# Altium PCB Shuttler_AMC.PcbDoc (part 4 of 12)
Units mm, origin at the board's own origin, x right, y up, seen from the top; angles counter-clockwise.
Board outline 180.71 x 148.55 mm, 12 copper layers (Layer 1, Layer 2, Layer 3, Layer 4, Layer 5, Layer 6, Layer 7, Layer 8, Layer 9, Layer 10, Layer 11, Layer 12), stack 2.14 mm thick; 1184 components, 1698 nets, 9088 pads, 920 vias.
Unrouted connection lines stored in the file: 1441.
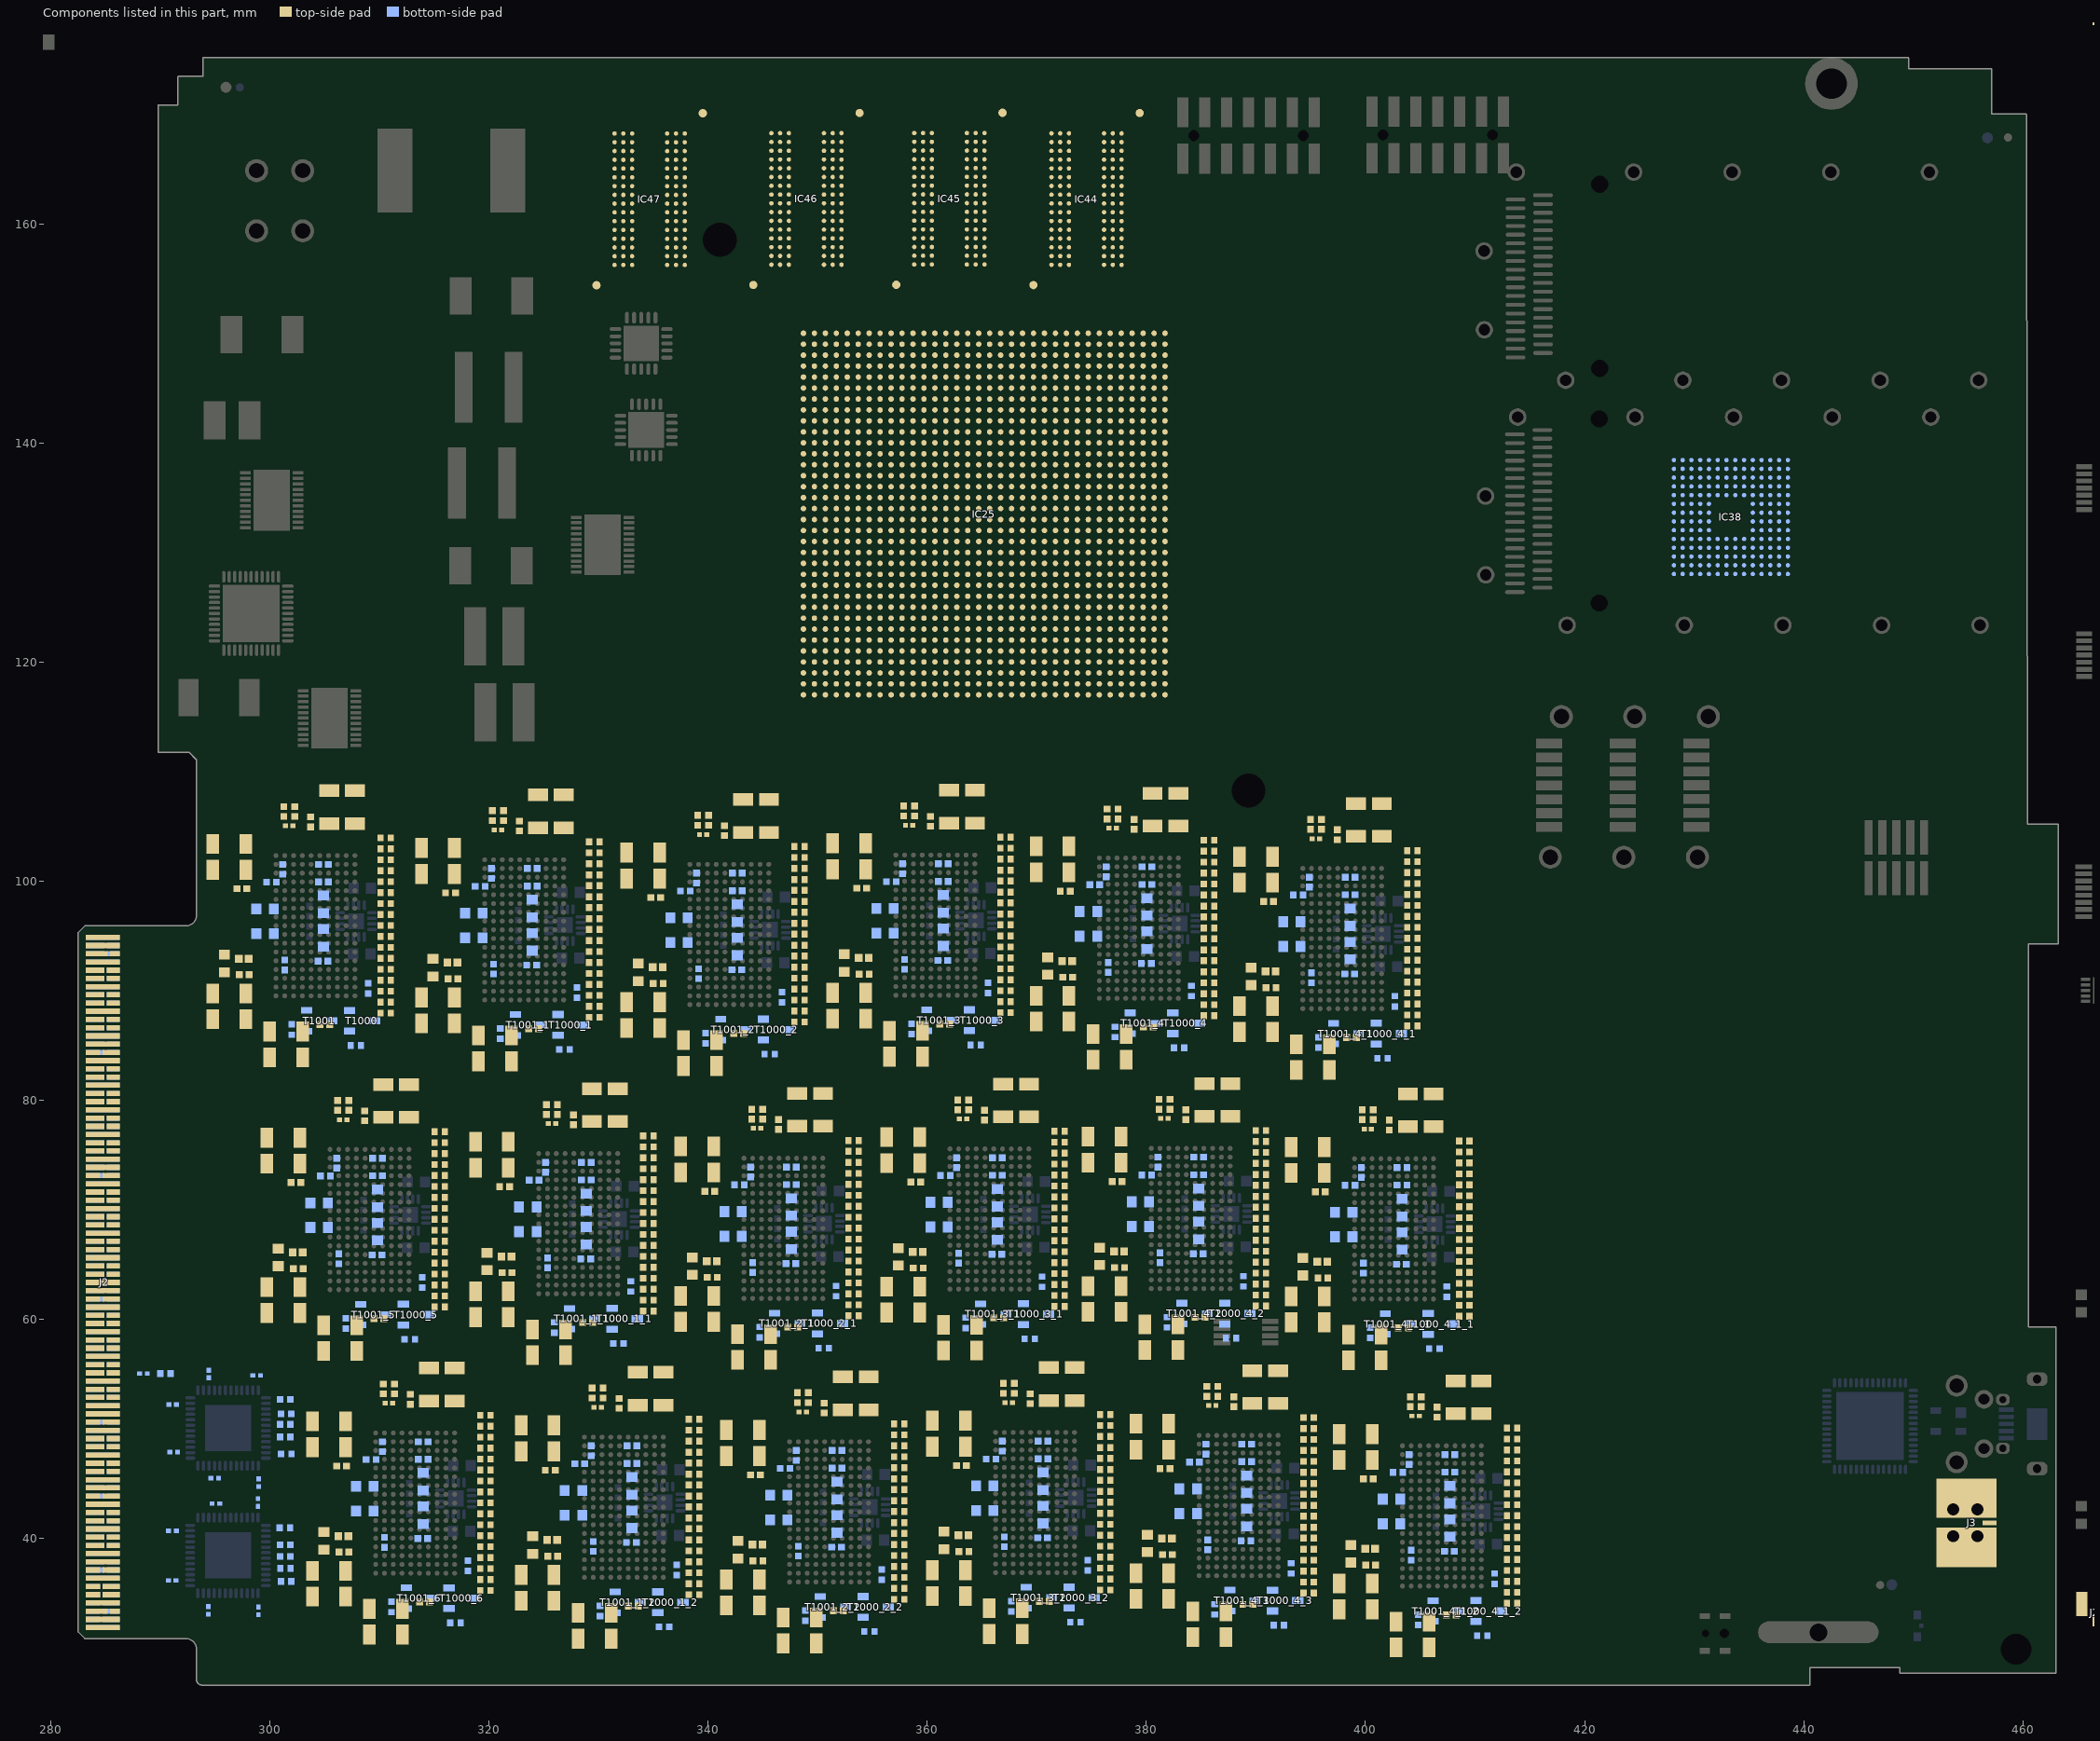
[diagram p10: the components of this part, seen from the top]

## Components (designator, comment, footprint, x,y, rotation, side; value= is the part's Value field where it differs from the comment) (continued)
R1018_4 "80R6" RESC1005X40N#2 385.725,92.747 r180 top (schematic designator R1018)
R1018_4_1 "80R6" RESC1005X40N#2 404.281,91.8 r180 top (schematic designator R1018)
R1018_4_1_1 "80R6" RESC1005X40N#2 409.012,65.3 r180 top locked (schematic designator R1018)
R1018_4_1_2 "80R6" RESC1005X40N#2 413.381,39.1 r180 top (schematic designator R1018)
R1018_4_2 "80R6" RESC1005X40N#2 390.456,66.247 r180 top (schematic designator R1018)
R1018_4_3 "80R6" RESC1005X40N#2 394.825,40.047 r180 top (schematic designator R1018)
R1018_5 "80R6" RESC1005X40N#2 315.506,66.15 r180 top (schematic designator R1018)
R1018_6 "80R6" RESC1005X40N#2 319.675,40.272 r180 top (schematic designator R1018)
R1019 "80R6" RESC1005X40N#2 310.575,91.972 r180 top
R1019_1 "80R6" RESC1005X40N#2 329.625,91.597 r180 top (schematic designator R1019)
R1019_1_1 "80R6" RESC1005X40N#2 334.556,64.775 r180 top (schematic designator R1019)
R1019_1_2 "80R6" RESC1005X40N#2 338.725,38.897 r180 top (schematic designator R1019)
R1019_2 "80R6" RESC1005X40N#2 348.35,91.172 r180 top (schematic designator R1019)
R1019_2_1 "80R6" RESC1005X40N#2 353.281,64.35 r180 top (schematic designator R1019)
R1019_2_2 "80R6" RESC1005X40N#2 357.45,38.472 r180 top (schematic designator R1019)
R1019_3 "80R6" RESC1005X40N#2 367.15,92.022 r180 top (schematic designator R1019)
R1019_3_1 "80R6" RESC1005X40N#2 372.081,65.2 r180 top (schematic designator R1019)
R1019_3_2 "80R6" RESC1005X40N#2 376.25,39.322 r180 top (schematic designator R1019)
R1019_4 "80R6" RESC1005X40N#2 385.725,91.747 r180 top (schematic designator R1019)
R1019_4_1 "80R6" RESC1005X40N#2 404.281,90.8 r180 top (schematic designator R1019)
R1019_4_1_1 "80R6" RESC1005X40N#2 409.012,64.3 r180 top (schematic designator R1019)
R1019_4_1_2 "80R6" RESC1005X40N#2 413.381,38.1 r180 top (schematic designator R1019)
R1019_4_2 "80R6" RESC1005X40N#2 390.456,65.247 r180 top (schematic designator R1019)
R1019_4_3 "80R6" RESC1005X40N#2 394.825,39.047 r180 top (schematic designator R1019)
R1019_5 "80R6" RESC1005X40N#2 315.506,65.15 r180 top (schematic designator R1019)
R1019_6 "80R6" RESC1005X40N#2 319.675,39.272 r180 top (schematic designator R1019)
R1020 "80R6" RESC1005X40N#2 310.575,90.972 r180 top
R1020_1 "80R6" RESC1005X40N#2 329.625,90.597 r180 top (schematic designator R1020)
R1020_1_1 "80R6" RESC1005X40N#2 334.556,63.775 r180 top (schematic designator R1020)
R1020_1_2 "80R6" RESC1005X40N#2 338.725,37.897 r180 top (schematic designator R1020)
R1020_2 "80R6" RESC1005X40N#2 348.35,90.172 r180 top (schematic designator R1020)
R1020_2_1 "80R6" RESC1005X40N#2 353.281,63.35 r180 top (schematic designator R1020)
R1020_2_2 "80R6" RESC1005X40N#2 357.45,37.472 r180 top (schematic designator R1020)
R1020_3 "80R6" RESC1005X40N#2 367.15,91.022 r180 top (schematic designator R1020)
R1020_3_1 "80R6" RESC1005X40N#2 372.081,64.2 r180 top (schematic designator R1020)
R1020_3_2 "80R6" RESC1005X40N#2 376.25,38.322 r180 top (schematic designator R1020)
R1020_4 "80R6" RESC1005X40N#2 385.725,90.747 r180 top (schematic designator R1020)
R1020_4_1 "80R6" RESC1005X40N#2 404.281,89.8 r180 top (schematic designator R1020)
R1020_4_1_1 "80R6" RESC1005X40N#2 409.012,63.3 r180 top (schematic designator R1020)
R1020_4_1_2 "80R6" RESC1005X40N#2 413.381,37.1 r180 top (schematic designator R1020)
R1020_4_2 "80R6" RESC1005X40N#2 390.456,64.247 r180 top (schematic designator R1020)
R1020_4_3 "80R6" RESC1005X40N#2 394.825,38.047 r180 top (schematic designator R1020)
R1020_5 "80R6" RESC1005X40N#2 315.506,64.15 r180 top (schematic designator R1020)
R1020_6 "80R6" RESC1005X40N#2 319.675,38.272 r180 top (schematic designator R1020)
R1021 "80R6" RESC1005X40N#2 310.575,89.973 r180 top
R1021_1 "80R6" RESC1005X40N#2 329.625,89.598 r180 top (schematic designator R1021)
R1021_1_1 "80R6" RESC1005X40N#2 334.556,62.776 r180 top (schematic designator R1021)
R1021_1_2 "80R6" RESC1005X40N#2 338.725,36.898 r180 top (schematic designator R1021)
R1021_2 "80R6" RESC1005X40N#2 348.35,89.173 r180 top (schematic designator R1021)
R1021_2_1 "80R6" RESC1005X40N#2 353.281,62.351 r180 top (schematic designator R1021)
R1021_2_2 "80R6" RESC1005X40N#2 357.45,36.473 r180 top (schematic designator R1021)
R1021_3 "80R6" RESC1005X40N#2 367.15,90.023 r180 top (schematic designator R1021)
R1021_3_1 "80R6" RESC1005X40N#2 372.081,63.201 r180 top (schematic designator R1021)
R1021_3_2 "80R6" RESC1005X40N#2 376.25,37.323 r180 top (schematic designator R1021)
R1021_4 "80R6" RESC1005X40N#2 385.725,89.748 r180 top (schematic designator R1021)
R1021_4_1 "80R6" RESC1005X40N#2 404.281,88.801 r180 top (schematic designator R1021)
R1021_4_1_1 "80R6" RESC1005X40N#2 409.012,62.301 r180 top (schematic designator R1021)
R1021_4_1_2 "80R6" RESC1005X40N#2 413.381,36.101 r180 top (schematic designator R1021)
R1021_4_2 "80R6" RESC1005X40N#2 390.456,63.248 r180 top (schematic designator R1021)
R1021_4_3 "80R6" RESC1005X40N#2 394.825,37.048 r180 top (schematic designator R1021)
R1021_5 "80R6" RESC1005X40N#2 315.506,63.151 r180 top (schematic designator R1021)
R1021_6 "80R6" RESC1005X40N#2 319.675,37.273 r180 top (schematic designator R1021)
R1022 "80R6" RESC1005X40N#2 310.575,88.972 r180 top
R1022_1 "80R6" RESC1005X40N#2 329.625,88.597 r180 top (schematic designator R1022)
R1022_1_1 "80R6" RESC1005X40N#2 334.556,61.775 r180 top (schematic designator R1022)
R1022_1_2 "80R6" RESC1005X40N#2 338.725,35.897 r180 top (schematic designator R1022)
R1022_2 "80R6" RESC1005X40N#2 348.35,88.172 r180 top (schematic designator R1022)
R1022_2_1 "80R6" RESC1005X40N#2 353.281,61.35 r180 top (schematic designator R1022)
R1022_2_2 "80R6" RESC1005X40N#2 357.45,35.472 r180 top (schematic designator R1022)
R1022_3 "80R6" RESC1005X40N#2 367.15,89.022 r180 top (schematic designator R1022)
R1022_3_1 "80R6" RESC1005X40N#2 372.081,62.2 r180 top (schematic designator R1022)
R1022_3_2 "80R6" RESC1005X40N#2 376.25,36.322 r180 top (schematic designator R1022)
R1022_4 "80R6" RESC1005X40N#2 385.725,88.747 r180 top (schematic designator R1022)
R1022_4_1 "80R6" RESC1005X40N#2 404.281,87.8 r180 top (schematic designator R1022)
R1022_4_1_1 "80R6" RESC1005X40N#2 409.012,61.3 r180 top (schematic designator R1022)
R1022_4_1_2 "80R6" RESC1005X40N#2 413.381,35.1 r180 top (schematic designator R1022)
R1022_4_2 "80R6" RESC1005X40N#2 390.456,62.247 r180 top (schematic designator R1022)
R1022_4_3 "80R6" RESC1005X40N#2 394.825,36.047 r180 top (schematic designator R1022)
R1022_5 "80R6" RESC1005X40N#2 315.506,62.15 r180 top (schematic designator R1022)
R1022_6 "80R6" RESC1005X40N#2 319.675,36.272 r180 top (schematic designator R1022)
R1023 "80R6" RESC1005X40N#2 310.575,87.972 r180 top
R1023_1 "80R6" RESC1005X40N#2 329.625,87.597 r180 top (schematic designator R1023)
R1023_1_1 "80R6" RESC1005X40N#2 334.556,60.775 r180 top (schematic designator R1023)
R1023_1_2 "80R6" RESC1005X40N#2 338.725,34.897 r180 top (schematic designator R1023)
R1023_2 "80R6" RESC1005X40N#2 348.35,87.172 r180 top (schematic designator R1023)
R1023_2_1 "80R6" RESC1005X40N#2 353.281,60.35 r180 top (schematic designator R1023)
R1023_2_2 "80R6" RESC1005X40N#2 357.45,34.472 r180 top (schematic designator R1023)
R1023_3 "80R6" RESC1005X40N#2 367.15,88.022 r180 top (schematic designator R1023)
R1023_3_1 "80R6" RESC1005X40N#2 372.081,61.2 r180 top (schematic designator R1023)
R1023_3_2 "80R6" RESC1005X40N#2 376.25,35.322 r180 top (schematic designator R1023)
R1023_4 "80R6" RESC1005X40N#2 385.725,87.747 r180 top (schematic designator R1023)
R1023_4_1 "80R6" RESC1005X40N#2 404.281,86.8 r180 top (schematic designator R1023)
R1023_4_1_1 "80R6" RESC1005X40N#2 409.012,60.3 r180 top (schematic designator R1023)
R1023_4_1_2 "80R6" RESC1005X40N#2 413.381,34.1 r180 top (schematic designator R1023)
R1023_4_2 "80R6" RESC1005X40N#2 390.456,61.247 r180 top (schematic designator R1023)
R1023_4_3 "80R6" RESC1005X40N#2 394.825,35.047 r180 top (schematic designator R1023)
R1023_5 "80R6" RESC1005X40N#2 315.506,61.15 r180 top (schematic designator R1023)
R1023_6 "80R6" RESC1005X40N#2 319.675,35.272 r180 top (schematic designator R1023)
R1024 "80R6" RESC1005X40N#2 310.575,95.972 r180 top
R1024_1 "80R6" RESC1005X40N#2 329.625,95.597 r180 top (schematic designator R1024)
R1024_1_1 "80R6" RESC1005X40N#2 334.556,68.775 r180 top (schematic designator R1024)
R1024_1_2 "80R6" RESC1005X40N#2 338.725,42.897 r180 top (schematic designator R1024)
R1024_2 "80R6" RESC1005X40N#2 348.35,95.172 r180 top (schematic designator R1024)
R1024_2_1 "80R6" RESC1005X40N#2 353.281,68.35 r180 top (schematic designator R1024)
R1024_2_2 "80R6" RESC1005X40N#2 357.45,42.472 r180 top (schematic designator R1024)
R1024_3 "80R6" RESC1005X40N#2 367.15,96.022 r180 top (schematic designator R1024)
R1024_3_1 "80R6" RESC1005X40N#2 372.081,69.2 r180 top (schematic designator R1024)
R1024_3_2 "80R6" RESC1005X40N#2 376.25,43.322 r180 top (schematic designator R1024)
R1024_4 "80R6" RESC1005X40N#2 385.725,95.747 r180 top (schematic designator R1024)
R1024_4_1 "80R6" RESC1005X40N#2 404.281,94.8 r180 top (schematic designator R1024)
R1024_4_1_1 "80R6" RESC1005X40N#2 409.012,68.3 r180 top (schematic designator R1024)
R1024_4_1_2 "80R6" RESC1005X40N#2 413.381,42.1 r180 top (schematic designator R1024)
R1024_4_2 "80R6" RESC1005X40N#2 390.456,69.247 r180 top (schematic designator R1024)
R1024_4_3 "80R6" RESC1005X40N#2 394.825,43.047 r180 top (schematic designator R1024)
R1024_5 "80R6" RESC1005X40N#2 315.506,69.15 r180 top (schematic designator R1024)
R1024_6 "80R6" RESC1005X40N#2 319.675,43.272 r180 top (schematic designator R1024)
R1025 "100" RESC0603X28N 301.775,105.072 r0 top
R1025_1 "100" RESC0603X28N 320.825,104.697 r0 top (schematic designator R1025)
R1025_1_1 "100" RESC0603X28N 325.756,77.875 r0 top (schematic designator R1025)
R1025_1_2 "100" RESC0603X28N 329.925,51.997 r0 top (schematic designator R1025)
R1025_2 "100" RESC0603X28N 339.55,104.272 r0 top (schematic designator R1025)
R1025_2_1 "100" RESC0603X28N 344.481,77.45 r0 top (schematic designator R1025)
R1025_2_2 "100" RESC0603X28N 348.65,51.572 r0 top (schematic designator R1025)
R1025_3 "100" RESC0603X28N 358.35,105.122 r0 top (schematic designator R1025)
R1025_3_1 "100" RESC0603X28N 363.281,78.3 r0 top (schematic designator R1025)
R1025_3_2 "100" RESC0603X28N 367.45,52.422 r0 top (schematic designator R1025)
R1025_4 "100" RESC0603X28N 376.925,104.847 r0 top (schematic designator R1025)
R1025_4_1 "100" RESC0603X28N 395.481,103.9 r0 top (schematic designator R1025)
R1025_4_1_1 "100" RESC0603X28N 400.212,77.4 r0 top (schematic designator R1025)
R1025_4_1_2 "100" RESC0603X28N 404.581,51.2 r0 top (schematic designator R1025)
R1025_4_2 "100" RESC0603X28N 381.656,78.347 r0 top (schematic designator R1025)
R1025_4_3 "100" RESC0603X28N 386.025,52.147 r0 top (schematic designator R1025)
R1025_5 "100" RESC0603X28N 306.706,78.25 r0 top (schematic designator R1025)
R1025_6 "100" RESC0603X28N 310.875,52.372 r0 top (schematic designator R1025)
R1026 "10k" RESC1005X40N#2 302,86.472 r90 bottom
R1026_1 "10k" RESC1005X40N#2 321.05,86.097 r90 bottom (schematic designator R1026)
R1026_1_1 "10k" RESC1005X40N#2 325.981,59.275 r90 bottom (schematic designator R1026)
R1026_1_2 "10k" RESC1005X40N#2 330.15,33.397 r90 bottom (schematic designator R1026)
R1026_2 "10k" RESC1005X40N#2 339.775,85.672 r90 bottom (schematic designator R1026)
R1026_2_1 "10k" RESC1005X40N#2 344.706,58.85 r90 bottom (schematic designator R1026)
R1026_2_2 "10k" RESC1005X40N#2 348.875,32.972 r90 bottom (schematic designator R1026)
R1026_3 "10k" RESC1005X40N#2 358.575,86.522 r90 bottom (schematic designator R1026)
R1026_3_1 "10k" RESC1005X40N#2 363.506,59.7 r90 bottom (schematic designator R1026)
R1026_3_2 "10k" RESC1005X40N#2 367.675,33.822 r90 bottom (schematic designator R1026)
R1026_4 "10k" RESC1005X40N#2 377.15,86.247 r90 bottom (schematic designator R1026)
R1026_4_1 "10k" RESC1005X40N#2 395.706,85.3 r90 bottom (schematic designator R1026)
R1026_4_1_1 "10k" RESC1005X40N#2 400.437,58.8 r90 bottom (schematic designator R1026)
R1026_4_1_2 "10k" RESC1005X40N#2 404.806,32.6 r90 bottom (schematic designator R1026)
R1026_4_2 "10k" RESC1005X40N#2 381.881,59.747 r90 bottom (schematic designator R1026)
R1026_4_3 "10k" RESC1005X40N#2 386.25,33.547 r90 bottom (schematic designator R1026)
R1026_5 "10k" RESC1005X40N#2 306.931,59.65 r90 bottom (schematic designator R1026)
R1026_6 "10k" RESC1005X40N#2 311.1,33.772 r90 bottom (schematic designator R1026)
R1027 "500" RESC1608X55N 295.85,92.497 r90 top
R1027_1 "500" RESC1608X55N 314.9,92.122 r90 top (schematic designator R1027)
R1027_1_1 "500" RESC1608X55N 319.831,65.3 r90 top (schematic designator R1027)
R1027_1_2 "500" RESC1608X55N 324,39.422 r90 top (schematic designator R1027)
R1027_2 "500" RESC1608X55N 333.625,91.697 r90 top (schematic designator R1027)
R1027_2_1 "500" RESC1608X55N 338.556,64.875 r90 top (schematic designator R1027)
R1027_2_2 "500" RESC1608X55N 342.725,38.997 r90 top (schematic designator R1027)
R1027_3 "500" RESC1608X55N 352.425,92.547 r90 top (schematic designator R1027)
R1027_3_1 "500" RESC1608X55N 357.356,65.725 r90 top (schematic designator R1027)
R1027_3_2 "500" RESC1608X55N 361.525,39.847 r90 top (schematic designator R1027)
R1027_4 "500" RESC1608X55N 371,92.272 r90 top (schematic designator R1027)
R1027_4_1 "500" RESC1608X55N 389.556,91.325 r90 top (schematic designator R1027)
R1027_4_1_1 "500" RESC1608X55N 394.287,64.825 r90 top (schematic designator R1027)
R1027_4_1_2 "500" RESC1608X55N 398.656,38.625 r90 top (schematic designator R1027)
R1027_4_2 "500" RESC1608X55N 375.731,65.772 r90 top (schematic designator R1027)
R1027_4_3 "500" RESC1608X55N 380.1,39.572 r90 top (schematic designator R1027)
R1027_5 "500" RESC1608X55N 300.781,65.675 r90 top (schematic designator R1027)
R1027_6 "500" RESC1608X55N 304.95,39.797 r90 top (schematic designator R1027)
T1000 "BSS84LT1G" SOT95P240X110-3N 308.425,87.272 r0 bottom
T1000_1 "BSS84LT1G" SOT95P240X110-3N 327.475,86.897 r0 bottom (schematic designator T1000)
T1000_1_1 "BSS84LT1G" SOT95P240X110-3N 332.406,60.075 r0 bottom (schematic designator T1000)
T1000_1_2 "BSS84LT1G" SOT95P240X110-3N 336.575,34.197 r0 bottom (schematic designator T1000)
T1000_2 "BSS84LT1G" SOT95P240X110-3N 346.2,86.472 r0 bottom (schematic designator T1000)
T1000_2_1 "BSS84LT1G" SOT95P240X110-3N 351.131,59.65 r0 bottom (schematic designator T1000)
T1000_2_2 "BSS84LT1G" SOT95P240X110-3N 355.3,33.772 r0 bottom (schematic designator T1000)
T1000_3 "BSS84LT1G" SOT95P240X110-3N 365,87.322 r0 bottom (schematic designator T1000)
T1000_3_1 "BSS84LT1G" SOT95P240X110-3N 369.931,60.5 r0 bottom (schematic designator T1000)
T1000_3_2 "BSS84LT1G" SOT95P240X110-3N 374.1,34.622 r0 bottom (schematic designator T1000)
T1000_4 "BSS84LT1G" SOT95P240X110-3N 383.575,87.047 r0 bottom (schematic designator T1000)
T1000_4_1 "BSS84LT1G" SOT95P240X110-3N 402.131,86.1 r0 bottom (schematic designator T1000)
T1000_4_1_1 "BSS84LT1G" SOT95P240X110-3N 406.862,59.6 r0 bottom (schematic designator T1000)
T1000_4_1_2 "BSS84LT1G" SOT95P240X110-3N 411.231,33.4 r0 bottom (schematic designator T1000)
T1000_4_2 "BSS84LT1G" SOT95P240X110-3N 388.306,60.547 r0 bottom (schematic designator T1000)
T1000_4_3 "BSS84LT1G" SOT95P240X110-3N 392.675,34.347 r0 bottom (schematic designator T1000)
T1000_5 "BSS84LT1G" SOT95P240X110-3N 313.356,60.45 r0 bottom (schematic designator T1000)
T1000_6 "BSS84LT1G" SOT95P240X110-3N 317.525,34.572 r0 bottom (schematic designator T1000)
T1001 "BSH103" SOT95P230X110-3N 304.525,87.272 r0 bottom
T1001_1 "BSH103" SOT95P230X110-3N 323.575,86.897 r0 bottom (schematic designator T1001)
T1001_1_1 "BSH103" SOT95P230X110-3N 328.506,60.075 r0 bottom (schematic designator T1001)
T1001_1_2 "BSH103" SOT95P230X110-3N 332.675,34.197 r0 bottom (schematic designator T1001)
T1001_2 "BSH103" SOT95P230X110-3N 342.3,86.472 r0 bottom (schematic designator T1001)
T1001_2_1 "BSH103" SOT95P230X110-3N 347.231,59.65 r0 bottom (schematic designator T1001)
T1001_2_2 "BSH103" SOT95P230X110-3N 351.4,33.772 r0 bottom (schematic designator T1001)
T1001_3 "BSH103" SOT95P230X110-3N 361.1,87.322 r0 bottom (schematic designator T1001)
T1001_3_1 "BSH103" SOT95P230X110-3N 366.031,60.5 r0 bottom (schematic designator T1001)
T1001_3_2 "BSH103" SOT95P230X110-3N 370.2,34.622 r0 bottom (schematic designator T1001)
T1001_4 "BSH103" SOT95P230X110-3N 379.675,87.047 r0 bottom (schematic designator T1001)
T1001_4_1 "BSH103" SOT95P230X110-3N 398.231,86.1 r0 bottom (schematic designator T1001)
T1001_4_1_1 "BSH103" SOT95P230X110-3N 402.962,59.6 r0 bottom (schematic designator T1001)
T1001_4_1_2 "BSH103" SOT95P230X110-3N 407.331,33.4 r0 bottom (schematic designator T1001)
T1001_4_2 "BSH103" SOT95P230X110-3N 384.406,60.547 r0 bottom (schematic designator T1001)
T1001_4_3 "BSH103" SOT95P230X110-3N 388.775,34.347 r0 bottom (schematic designator T1001)
T1001_5 "BSH103" SOT95P230X110-3N 309.456,60.45 r0 bottom (schematic designator T1001)
T1001_6 "BSH103" SOT95P230X110-3N 313.625,34.572 r0 bottom (schematic designator T1001)

## Footprints (in the part's own frame and the unit in brackets; to place one, negate y for a bottom-side part, rotate by r counter-clockwise, add the part's x,y. Pads: shape width x height; smd on the part's side, far side on the other; paste and mask are expansions set on the pad)
AMC-GF-2D-750-O274 [mm] "Golden finger, AMC, Dual, Opposite, Pitch 0.75mm, 170-Position"
  rect 0.48x3.1 smd far side paste-3.4: 1(-31.5,0) 2(-30.75,0) 4(-29.25,0) 7(-27,0) 9(-25.5,0) 10(-24.75,0) 13(-22.5,0) 16(-20.25,0) 18(-18.75,0) 19(-18,0) 22(-15.75,0) 25(-13.5,0) 27(-12,0) 28(-11.25,0) 31(-9,0) 34(-6.75,0) 37(-4.5,0) 40(-2.25,0) 42(-0.75,0) 43(0,0) 46(2.25,0) 49(4.5,0) 52(6.75,0) 55(9,0) 57(10.5,0) 58(11.25,0) 61(13.5,0) 64(15.75,0) 67(18,0) 70(20.25,0) 72(21.75,0) 73(22.5,0) 76(24.75,0) 79(27,0) 82(29.25,0) 84(30.75,0) 85(31.5,0)
  rect 0.48x0.9 smd far side paste-3.4: 3(-30,1.1) 83(30,1.1)
  rect 0.48x1.575 smd far side paste-3.4: 5(-28.5,0.763) 6(-27.75,0.763) 8(-26.25,0.763) 17(-19.5,0.763) 26(-12.75,0.763) 41(-1.5,0.763) 56(9.75,0.763) 71(21,0.763)
  rect 0.48x1.2 smd far side paste-3.4: 11(-24,0.95) 12(-23.25,0.95) 14(-21.75,0.95) 15(-21,0.95) 20(-17.25,0.95) 21(-16.5,0.95) 23(-15,0.95) 24(-14.25,0.95) 29(-10.5,0.95) 30(-9.75,0.95) 32(-8.25,0.95) 33(-7.5,0.95) 35(-6,0.95) 36(-5.25,0.95) 38(-3.75,0.95) 39(-3,0.95) 44(0.75,0.95) 45(1.5,0.95) 47(3,0.95) 48(3.75,0.95) 50(5.25,0.95) 51(6,0.95) 53(7.5,0.95) 54(8.25,0.95) 59(12,0.95) 60(12.75,0.95) 62(14.25,0.95) 63(15,0.95) 65(16.5,0.95) 66(17.25,0.95) 68(18.75,0.95) 69(19.5,0.95) 74(23.25,0.95) 75(24,0.95) 77(25.5,0.95) 78(26.25,0.95) 80(27.75,0.95) 81(28.5,0.95)
  rect 0.48x3.1 smd paste-3.4: 86(31.5,0) 89(29.25,0) 92(27,0) 95(24.75,0) 98(22.5,0) 101(20.25,0) 104(18,0) 107(15.75,0) 110(13.5,0) 113(11.25,0) 116(9,0) 119(6.75,0) 122(4.5,0) 125(2.25,0) 128(0,0) 131(-2.25,0) 134(-4.5,0) 137(-6.75,0) 140(-9,0) 143(-11.25,0) 146(-13.5,0) 149(-15.75,0) 152(-18,0) 155(-20.25,0) 158(-22.5,0) 161(-24.75,0) 164(-27,0) 170(-31.5,0)
  rect 0.48x1.2 smd paste-3.4: 87(30.75,0.95) 88(30,0.95) 90(28.5,0.95) 91(27.75,0.95) 93(26.25,0.95) 94(25.5,0.95) 96(24,0.95) 97(23.25,0.95) 99(21.75,0.95) 100(21,0.95) 102(19.5,0.95) 103(18.75,0.95) 105(17.25,0.95) 106(16.5,0.95) 108(15,0.95) 109(14.25,0.95) 111(12.75,0.95) 112(12,0.95) 114(10.5,0.95) 115(9.75,0.95) 117(8.25,0.95) 118(7.5,0.95) 120(6,0.95) 121(5.25,0.95) 123(3.75,0.95) 124(3,0.95) 126(1.5,0.95) 127(0.75,0.95) 129(-0.75,0.95) 130(-1.5,0.95) 132(-3,0.95) 133(-3.75,0.95) 135(-5.25,0.95) 136(-6,0.95) 138(-7.5,0.95) 139(-8.25,0.95) 141(-9.75,0.95) 142(-10.5,0.95) 144(-12,0.95) 145(-12.75,0.95) 147(-14.25,0.95) 148(-15,0.95) 150(-16.5,0.95) 151(-17.25,0.95) 153(-18.75,0.95) 154(-19.5,0.95) 156(-21,0.95) 157(-21.75,0.95) 159(-23.25,0.95) 160(-24,0.95) 162(-25.5,0.95) 163(-26.25,0.95)